# Altium PCB 30-172 - SM Clock Ethernet Module.PcbDoc
Units mm, origin at the board's own origin, x right, y up, seen from the top; angles counter-clockwise.
Board outline 48 x 33 mm, 2 copper layers (Top Layer, Bottom Layer), stack 1.571 mm thick; 44 components, 33 nets, 162 pads, 33 vias.
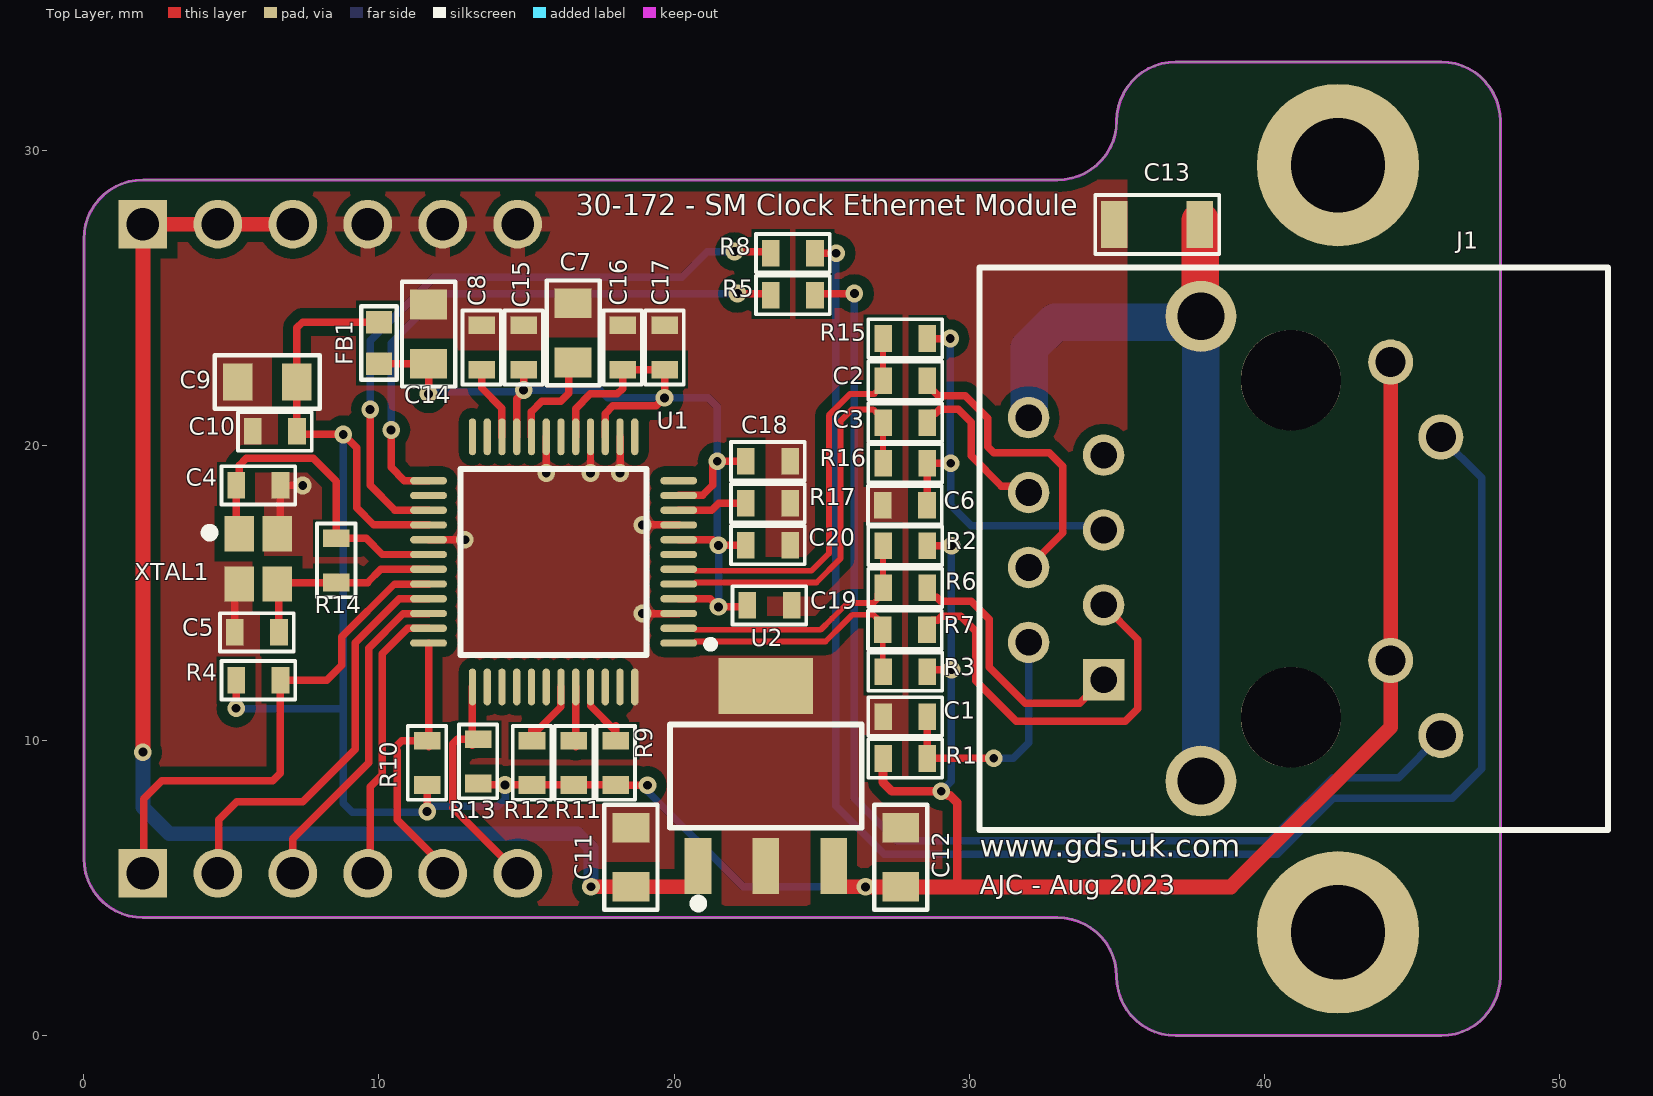
[diagram p0: Top Layer view]
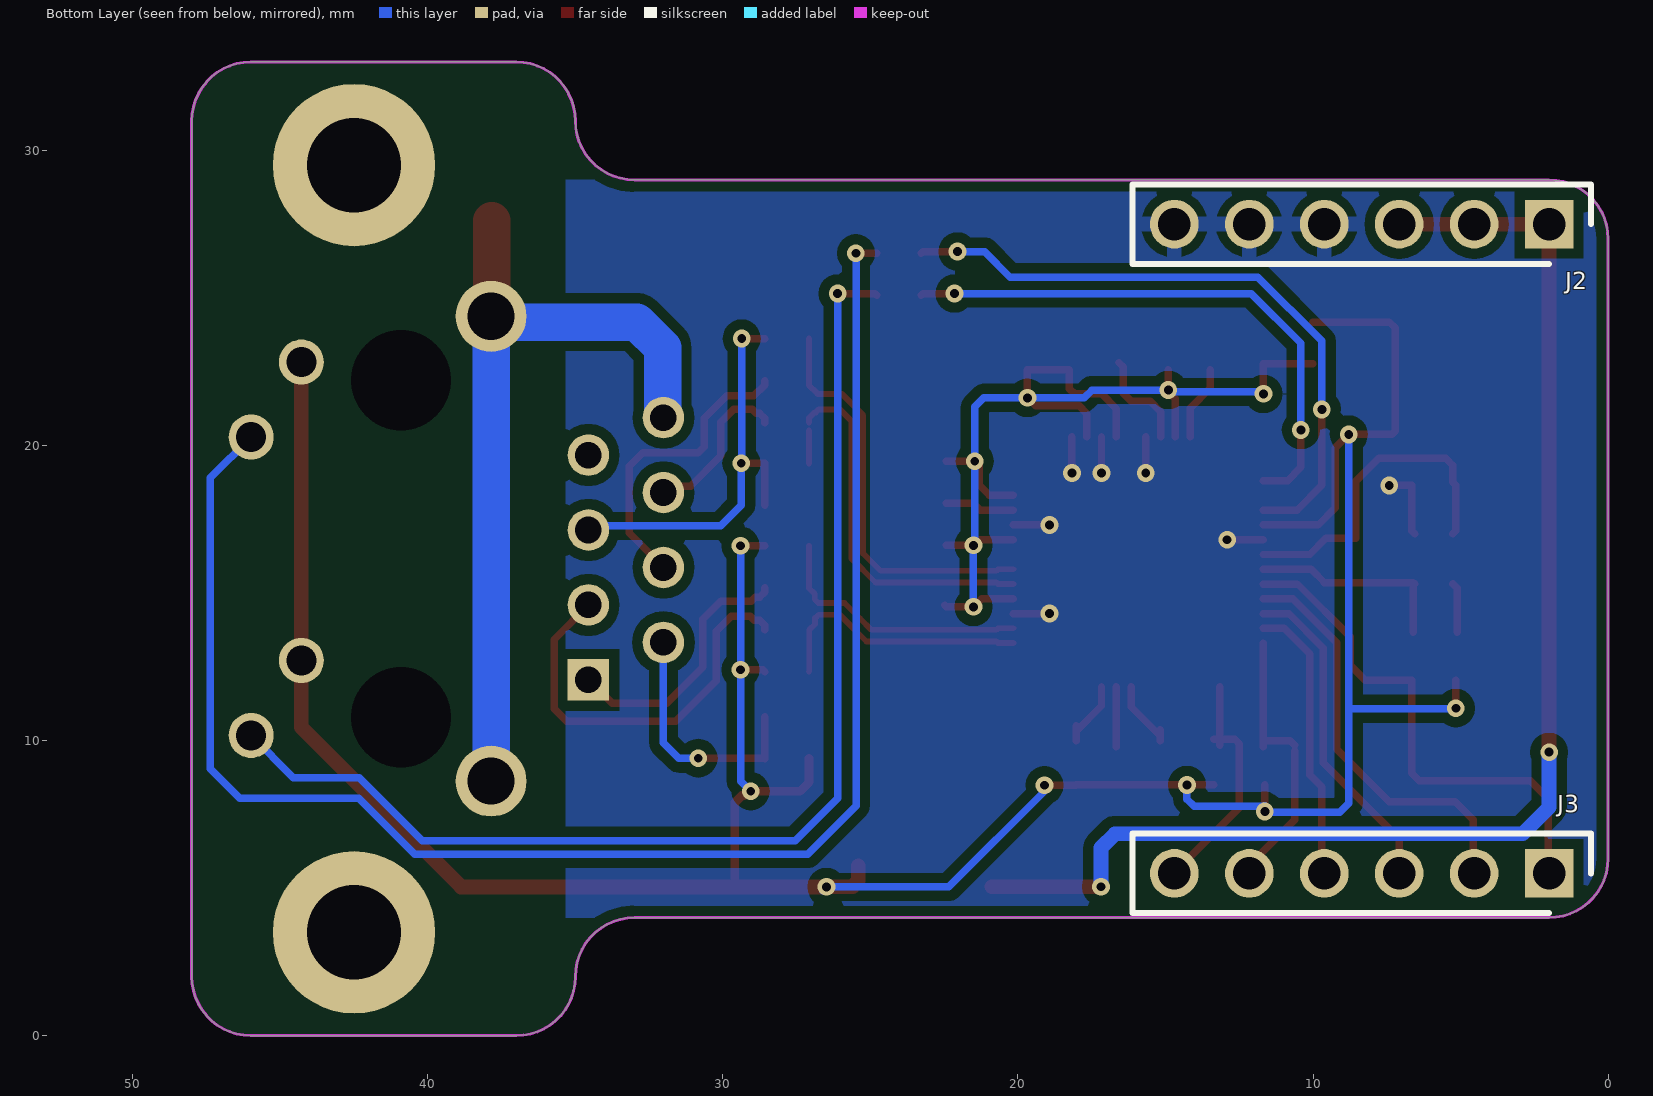
[diagram p1: Bottom Layer view, seen from below]
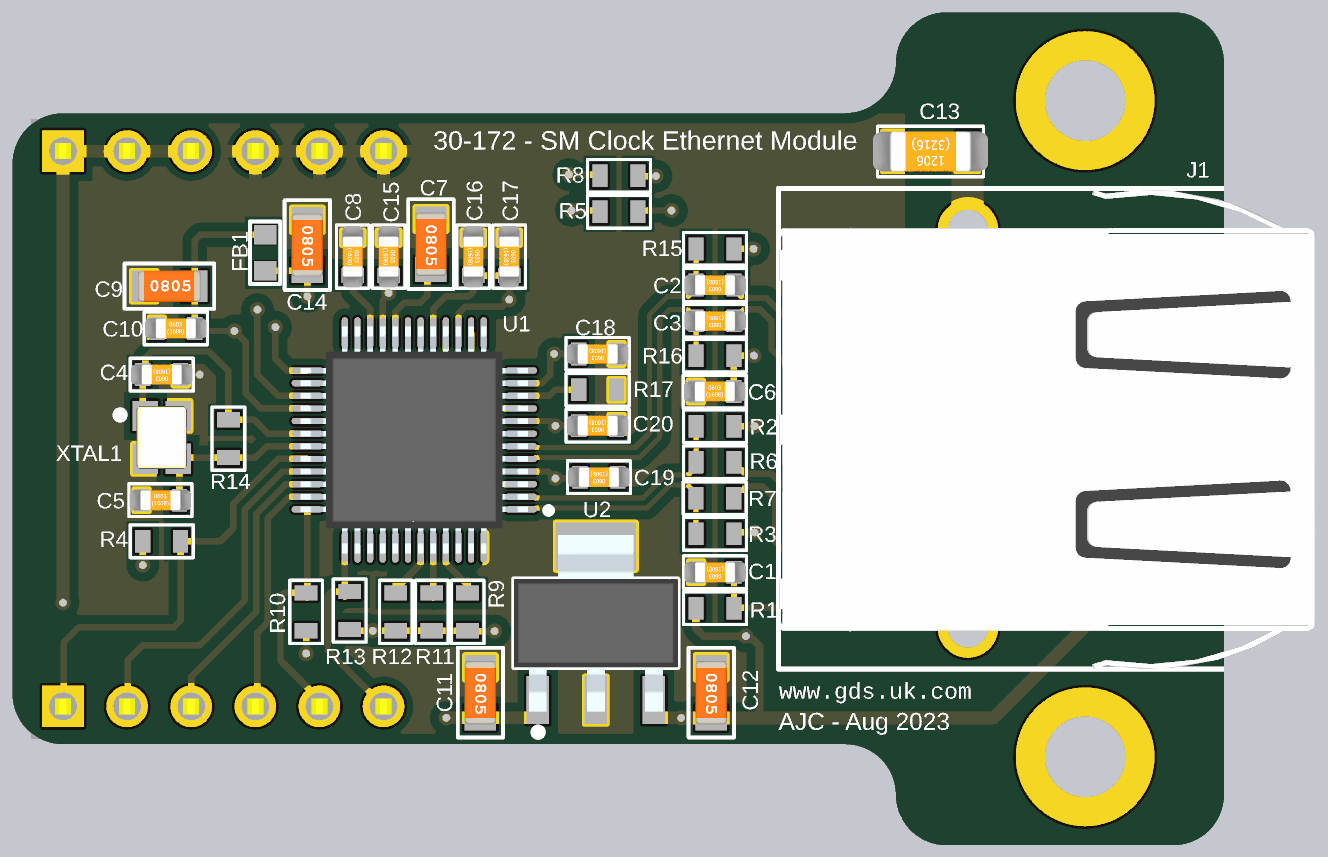
[diagram p2: 3D render of the assembled board from above, using the file's embedded part models]

## Layer stack, top to bottom
Top Solder: solder mask 0.0102, Solder Resist, Dk 3.5
Top Layer: signal copper 0.0356
Dielectric 1: dielectric 1.5, FR-4, Dk 4.8
Bottom Layer: signal copper 0.0356
Bottom Solder: solder mask 0.0102, Solder Resist, Dk 3.5

## Board outline
2,4 cw(c2,6) 0,6 0,27 cw(c2,27) 2,29 33,29 33,29.006 ccw(c33,31.006) 35,31.006 35,31 cw(c37,31) 37,33 46.003,33 46,33 cw(c46,31) 48,31 48,31.003 48,2 cw(c46,2) 46,0 37.001,0 cw(c37.001,2) 35.001,2 34.997,2 ccw(c32.997,2) 32.997,4

## Design rules (kind name [scope] priority, off if disabled: settings)
AssemblyTestPointUsage AssemblyTestPointUsage_1 [All] p1:
AssemblyTestpoint AssemblyTestpoint_1 [All] p1: testpointundercomponent=TRUE minsize=1.016 maxsize=2.54 preferedsize=1.524 minholesize=0 maxholesize=1.016 preferedholesize=0.813 testpointgrid=0.025 usegrid=TRUE gridtolerance=0 allowsidetop=TRUE allowsidebottom=TRUE
Clearance Clearance_1 [All] p1: gap=0.35 ignorepadtopadclearanceinfootprint=FALSE except(0: Arc-Hole Track-Hole SMDPad-Hole THPad-Hole Via-Hole Fill-Hole Poly-Hole Region-Hole Text-Hole; 0.2: Arc-Arc Arc-Track Arc-SMDPad Arc-THPad Arc-Via Track-Track Track-SMDPad Track-THPad Track-Via Track-Region SMDPad-SMDPad SMDPad-THPad SMDPad-Via SMDPad-Region THPad-THPad THPad-Via Via-Via)
ComponentClearance ComponentClearance_1 [All] p1: gap=0.254 collisioncheckmode=3 verticalgap=0.254 showdistances=FALSE
DiffPairsRouting DiffPairsRouting_1 [All] p1: maxlimit=0.254 minlimit=0.254 mostfreqgap=0.254 toplayer_minwidth=0.381 toplayer_maxwidth=0.381 toplayer_prefwidth=0.381 bottomlayer_minwidth=0.381 bottomlayer_maxwidth=0.381 bottomlayer_prefwidth=0.381 maxuncoupledlength=12.7
FabricationTestPointUsage FabricationTestPointUsage_1 [All] p1: valid=0 allowmultiple=FALSE
FabricationTestpoint FabricationTestpoint_1 [All] p1: side=3 testpointundercomponent=TRUE minsize=1.016 maxsize=2.54 preferedsize=1.524 minholesize=0 maxholesize=1.016 preferedholesize=0.813 testpointgrid=0.025 allowsidetop=TRUE allowsidebottom=TRUE usegrid=TRUE gridtolerance=0
FanoutControl Fanout_BGA_1 [IsBGA] p1: bgadir=Out bgaviamode=Centered fanoutstyle=Auto fanoutdirection=Alternating viagrid=0.025 // Fanout_BGA (Default Rule)
FanoutControl Fanout_LCC_1 [IsLCC] p2: bgadir=Out bgaviamode=Centered fanoutstyle=Auto fanoutdirection=Alternating viagrid=0.025 // Fanout_LCC (Default Rule)
FanoutControl Fanout_SOIC_1 [IsSOIC] p3: bgadir=Out bgaviamode=Centered fanoutstyle=Auto fanoutdirection=Alternating viagrid=0.025 // Fanout_SOIC (Default Rule)
FanoutControl Fanout_Small_1 [(CompPinCount < 5)] p4: bgadir=Out bgaviamode=Centered fanoutstyle=Auto fanoutdirection=OutThenIn viagrid=0.025 // Fanout_Small (Default Rule)
FanoutControl Fanout_Default_1 [All] p5: bgadir=Out bgaviamode=Centered fanoutstyle=Auto fanoutdirection=Alternating viagrid=0.025 // Fanout_Default (Default Rule)
Height Height_1 [All] p1: minheight=0 maxheight=25.4 prefheight=12.7
HoleSize HoleSize_1 [All] p1: absolutevalues=TRUE maxlimit=6 minlimit=0.025 maxpercent=80.000 minpercent=20.000
HoleToHoleClearance HoleToHoleClearance_1 [All] p1: gap=0.254 allowstackedmicrovias=TRUE
LayerPairs LayerPairs_1 [All] p1: enforce=TRUE
MinimumSolderMaskSliver MinimumSolderMaskSliver_1 [All] p1 off: minsoldermaskwidth=0
NetAntennae NetAntennae_1 [All] p1 off: netantennaetolerance=0
PasteMaskExpansion PasteMaskExpansion_1 [All] p1: expansion=0
PlaneClearance PlaneClearance_1 [All] p1: clearance=0.508
PlaneConnect PlaneConnect_1 [All] p1: planeconnectstyle=Relief reliefexpansion=0.508 reliefentries=4 reliefconductorwidth=0.254 reliefairgap=0.254
PolygonConnect PolygonConnect_1 [All] p1: thpad.connectstyle=Relief thpad.reliefconductorwidth=0.5 thpad.reliefentries=4 thpad.polygonreliefangle="90 Angle" thpad.airgapwidth=0.3 smdpad.connectstyle=Direct smdpad.reliefconductorwidth=0.254 smdpad.reliefentries=4 smdpad.polygonreliefangle="45 Angle" smdpad.airgapwidth=0.254 via.connectstyle=Direct via.reliefconductorwidth=0.254 via.reliefentries=4 via.polygonreliefangle="45 Angle" via.airgapwidth=0.254
RoutingCorners RoutingCorners_1 [All] p1: cornerstyle=45-Degree minsetback=2.54 maxsetback=2.54
RoutingLayers RoutingLayers_1 [All] p1: top layer_v5=TRUE bottom layer_v5=TRUE
RoutingPriority RoutingPriority_1 [All] p1: routingpriority=0
RoutingTopology RoutingTopology_1 [All] p1: topology=Shortest
RoutingVias RoutingVias_1 [All] p1: holewidth=0.4 width=0.8 viastyle="Through Hole" minholewidth=0.4 minwidth=0.8 maxholewidth=0.8 maxwidth=1.27
ShortCircuit ShortCircuit_1 [All] p1: allowed=FALSE
SilkToBoardRegionClearance SilkToBoardRegionClearance_1 [All] p2 off:
SilkToSilkClearance SilkToSilkClearance_1 [All] p1: silktosilkclearance=0
SilkToSolderMaskClearance SilkToSolderMaskClearance_1 [IsPad] p1 off: minsilkscreentomaskgap=0 clearancetoexposedcopper=TRUE
SolderMaskExpansion SolderMaskExpansion_1 [All] p1: expansion=0.102 istentingtop=FALSE
UnRoutedNet UnRoutedNet_1 [All] p1:
UnpouredPolygon UnpouredPolygon_1 [All] p1:
Width Width_1 [All] p1: maxlimit=2 minlimit=0.254 preferedwidth=0.5
1 further rules are at their usual default settings.

## Classes and differential pairs
differential pair W5500_TX: +W5500_TX_P -W5500_TX_N
differential pair W5500_RX: +W5500_RX_P -W5500_RX_N

## Components (designator, comment, footprint, x,y, rotation, side; value= is the part's Value field where it differs from the comment)
C1 "22nF" C0603 27.836,10.814 r180 top
C2 "6.8nF" C0603 27.836,22.196 r180 top
C3 "6.8nF" C0603 27.836,20.774 r180 top
C4 "18pF" C0603 5.912,18.646 r180 top
C5 "18pF" C0603 5.861,13.668 r0 top
C6 "10nF" C0603 27.824,17.973 r0 top
C7 "4.7uF" C0805 16.58,23.812 r270 top
C8 "10nF" C0603 13.481,23.32 r270 top
C9 "10uF" C0805 6.216,22.151 r0 top
C10 "100nF" C0603 6.47,20.475 r0 top
C11 "10uF" C0805 18.539,6.045 r270 top
C12 "10uF" C0805 27.683,6.045 r270 top
C13 "1nF/2kV" C1206 36.373,27.486 r180 top
C14 "10uF" C0805 11.681,23.777 r270 top
C15 "100nF" C0603 14.903,23.32 r270 top
C16 "100nF" C0603 18.256,23.32 r270 top
C17 "100nF" C0603 19.678,23.32 r270 top
C18 "100nF" C0603 23.184,19.465 r180 top
C19 "100nF" C0603 23.234,14.582 r180 top
C20 "100nF" C0603 23.184,16.621 r180 top
FB1 "MH1608-121Y" L0603 10.005,23.472 r270 top
J1 "J1B1211CCD" J1B1211CCD 39,16.5 r90 top
J2 "TSW-106-06-G-S" TSW-106-06-G-S 2,27.5 r0 bottom
J3 "TSW-106-06-G-S" TSW-106-06-G-S 2,5.5 r0 bottom
R1 "10" R0603 27.836,9.392 r180 top
R2 "49.9" R0603 27.836,16.602 r0 top
R3 "49.9" R0603 27.836,12.335 r0 top
R4 "10k" R0603 5.912,12.042 r180 top
R5 "330" R0603 24.028,25.098 r0 top
R6 "49.9" R0603 27.836,15.173 r180 top
R7 "49.9" R0603 27.824,13.751 r180 top
R8 "330" R0603 24.028,26.52 r0 top
R9 "10k" R0603 18.031,9.245 r270 top
R10 "10k" R0603 11.63,9.245 r270 top
R11 "10k" R0603 16.609,9.245 r270 top
R12 "10k" R0603 15.186,9.245 r270 top
R13 "10k" R0603 13.36,9.296 r270 top
R14 "1M" R0603 8.553,16.106 r90 top
R15 "49.9" R0603 27.836,23.625 r180 top
R16 "49.9" R0603 27.836,19.396 r180 top
R17 "12.4k" R0603 23.184,18.043 r180 top
U1 "W5500" LQFP-48 15.919,16.055 r90 top
U2 "AP2114HA-3.3TRG1" SOT223-3 23.111,8.795 r90 top
XTAL1 "25MHz" ECS2501836B2CTYTR 5.912,16.157 r270 top

## Footprints (in the part's own frame and the unit in brackets; to place one, negate y for a bottom-side part, rotate by r counter-clockwise, add the part's x,y. Pads: shape width x height; smd on the part's side, far side on the other; paste and mask are expansions set on the pad)
C0603 [mm] "0603 Capacitor Package"
  rect 0.6x0.9 smd: 1(-0.75,0) 2(0.75,0)
  silkscreen extent -1.25,-0.65 1.25,0.65, body extent -1.23,-0.4 1.23,0.4, height 0.8
C0805 [mm] "CAPACITOR SMD 0805"
  rect 1x1.25 smd: 1(-1,0) 2(1,0)
  silkscreen extent -1.78,-0.9 1.78,0.9, body extent -1.25,-0.62 1.25,0.62, height 0.79
C1206 [mm] "1206 Capacitor Package"
  rect 0.9x1.6 smd: 1(-1.45,0) 2(1.45,0)
  silkscreen extent -2.1,-1 2.1,1, body extent -2.27,-0.8 2.27,0.8, height 1.25
ECS2501836B2CTYTR [mm]
  rect 1.2x1 smd: 1(-0.85,-0.65) 2(0.85,-0.65) 3(0.85,0.65) 4(-0.85,0.65)
  silkscreen extent -1.04,-1.8 -0.74,-1.5, body extent -1.25,-1 1.25,1, height 0.6
J1B1211CCD [mm] "J1B1211CCD"
  round 3.4 / inner round 0 / far side round 2.4 hole 3.4: 0(-5.715,-1.905) 0(5.715,-1.905)
  rect 1.408x1.408 / inner round 0 / far side rect 1.408x1.408 hole 0.9: 1(-4.445,4.445)
  round 1.408 / inner round 0 / far side round 1.408 hole 0.9: 2(-3.175,6.985) 3(-1.905,4.445) 4(-0.635,6.985) 5(0.635,4.445) 6(1.905,6.985) 7(3.175,4.445) 8(4.445,6.985)
  round 1.53 / inner round 0 / far side round 1.53 hole 1.02: 9(-6.325,-6.985) 10(-3.785,-5.285) 11(3.785,-6.985) 12(6.325,-5.285)
  round 2.4 / inner round 0 / far side round 2.4 hole 1.6: S1(-7.875,1.145) S2(7.875,1.145)
  silkscreen extent -9.53,-12.66 9.53,8.64, body extent -9.53,-12.64 9.46,8.63, height 15.14
L0603 [mil]
  rect 30x35 smd mask+2: 1(-28,0) 2(28,0)
  silkscreen extent -49,-24 49,24, body extent -35,-14 35,13, height 24
LQFP-48 [mm] "WIZNET_W5500_0"
  rrect100% 0.25x1.25 smd: 1(-2.75,-4.238) 2(-2.25,-4.238) 3(-1.75,-4.238) 4(-1.25,-4.238) 5(-0.75,-4.238) 6(-0.25,-4.238) 7(0.25,-4.238) 8(0.75,-4.238) 9(1.25,-4.238) 10(1.75,-4.238) 11(2.25,-4.238) 12(2.75,-4.238) 25(2.75,4.238) 26(2.25,4.238) 27(1.75,4.238) 28(1.25,4.238) 29(0.75,4.238) 30(0.25,4.238) 31(-0.25,4.238) 32(-0.75,4.238) 33(-1.25,4.238) 34(-1.75,4.238) 35(-2.25,4.238) 36(-2.75,4.238)
  rrect100% 1.25x0.25 smd: 13(4.238,-2.75) 14(4.238,-2.25) 15(4.238,-1.75) 16(4.238,-1.25) 17(4.238,-0.75) 18(4.238,-0.25) 19(4.238,0.25) 20(4.238,0.75) 21(4.238,1.25) 22(4.238,1.75) 23(4.238,2.25) 24(4.238,2.75) 37(-4.238,2.75) 38(-4.238,2.25) 39(-4.238,1.75) 40(-4.238,1.25) 41(-4.238,0.75) 42(-4.238,0.25) 43(-4.238,-0.25) 44(-4.238,-0.75) 45(-4.238,-1.25) 46(-4.238,-1.75) 47(-4.238,-2.25) 48(-4.238,-2.75)
  silkscreen extent -3.15,-5.44 3.15,3.15, body extent -4.5,-4.5 4.5,4.5, height 1.6
R0603 [mm] "0603 Resistor Package"
  rect 0.6x0.9 smd: 1(-0.75,0) 2(0.75,0)
  silkscreen extent -1.25,-0.65 1.25,0.65, body extent -1.23,-0.4 1.23,0.4, height 0.8
SOT223-3 [mm]
  rect 1.9x0.9 smd: 1(-3.05,2.3) 2(-3.05,0) 3(-3.05,-2.3)
  rect 1.9x3.2 smd: 4(3.05,0)
  silkscreen extent -4.47,-3.25 1.75,3.25, body extent -3.5,-3.25 3.5,3.25, height 1.8
TSW-106-06-G-S [mm]
  rect 1.65x1.65 / inner round 1.65 / far side rect 1.65x1.65 hole 1.1: 1(0,0)
  round 1.65 hole 1.1: 2(2.54,0) 3(5.08,0) 4(7.62,0) 5(10.16,0) 6(12.7,0)
  silkscreen extent -1.42,-1.35 14.12,1.35, body extent -1.4,-1.27 13.97,1.27, height 5.31

## Part data
C1: library part "22nF ± 10% 50V", "22nF ± 10% 50V", Manufacturer=Yageo, Manufacturer Part Number=CC0603KRX7R9BB223, Supplier Part Number=603-CC603KRX7R9BB223, Price=0.1, Supplier=Mouser
C2 C3: library part "6.8nF ± 10% 50V", "6.8nF ± 10% 50V", Manufacturer=Yageo, Manufacturer Part Number=CC0603KPX7R9BB682, Supplier Part Number=603-CC0603KPX7R9BB682, Price=0.1, Supplier=Mouser
C4 C5: library part "18pF 50V 0603 X7R", "18pF 50V 0603 X7R", Manufacturer=Yageo, Manufacturer Part Number=CC0603FRNPO9BN180, Supplier Part Number=603-CC603FRNPO9BN180, Supplier=Mouser
C6 C8: library part "10nF ± 10% 50V", "10nF ± 10% 50V", Manufacturer=Yageo, Manufacturer Part Number=CC0603KRX7R9BB103, Supplier Part Number=603-CC603KRX7R9BB103, Price=0.1, Supplier=Mouser
C7: library part "4.7uF ± 10% 25V", "4.7uF ± 10% 25V", Manufacturer=Yageo, Manufacturer Part Number=CC0805KKX7R8BB475, Supplier Part Number=603-CC0805KKX7R8BB475, Price=0.31, Supplier=Mouser
C9 C11 C12 C14: library part "10uF ± 10% 16V", "10uF ± 10% 16V", Manufacturer=Yageo, Manufacturer Part Number=CC0805KKX5R7BB106, Supplier Part Number=603-CC0805KKX5R7BB106, Price=0.3, Supplier=Mouser
C10 C15 C16 C17 C18 C19 C20: library part "100nF ± 10% 50V", "100nF ± 10% 50V", Manufacturer=Yageo, Manufacturer Part Number=CC0603KRX7R9BB104, Supplier Part Number=603-CC603KRX7R9BB104, Price=0.1, Supplier=Mouser
C13: library part "1nF ± 10% 2kV", "1nF ± 10% 2kV", Manufacturer=Yageo, Manufacturer Part Number=CC1206KKX7RDBB102, Supplier Part Number=603-CC206KKX7RDBB102, Price=0.3, Supplier=Mouser
FB1: "Ferrite Beads 120 ohms 25% HIGH CURRENT", Manufacturer=Bourns, Supplier Part Number=652-MH1608-121Y, Manufacturer Part Number=MH1608-121Y, Price=0.1, Supplier=Mouser
J1: "Modular Connectors / Ethernet Connectors RJ-45 w/ Transformer Connector /CETUS", Manufacturer=WIZnet, Supplier Part Number=950-J1B1211CCD, Manufacturer Part Number=J1B1211CCD, Price=4.8, Supplier=Mouser
J2 J3: "Headers & Wire Housings Classic PCB Header Strips, 0.100\" pitch", Manufacturer=Samtec, Manufacturer Part Number=TSW-106-06-G-S, Price=1.03, Supplier=Mouser, Supplier Part Number=TSW-106-06-G-S
R1: library part "10 Ohms ±1% 0.1W", "10 Ohms ±1% 0.1W", Manufacturer=Yageo, Manufacturer Part Number=RC0603FR-0710RL, Supplier Part Number=603-RC0603FR-0710RL, Price=0.1, Supplier=Mouser
R2 R3 R6 R7 R15 R16: library part "49.9 Ohms ±1% 0.1W", "49.9 Ohms ±1% 0.1W", Manufacturer=Yageo, Manufacturer Part Number=RC0603FR-0749R9L, Supplier Part Number=603-RC0603FR-0749R9L, Price=0.1, Supplier=Mouser
R4 R9 R10 R11 R12 R13: library part "10 kOhms ±1% 0.1W", "10 kOhms ±1% 0.1W", Manufacturer=Yageo, Manufacturer Part Number=RC0603FR-0710KL, Supplier Part Number=603-RC0603FR-0710KL, Price=0.1, Supplier=Mouser
R5 R8: library part "330 Ohms ±1% 0.1W", "330 Ohms ±1% 0.1W", Manufacturer=Yageo, Manufacturer Part Number=RC0603FR-07330RL, Supplier Part Number=603-RC0603FR-07330RL, Price=0.1, Supplier=Mouser
R14: library part "1 MOhms ±1% 0.1W", "1 MOhms ±1% 0.1W", Manufacturer=Yageo, Manufacturer Part Number=RC0603FR-071ML, Supplier Part Number=603-RC0603FR-071ML, Price=0.1, Supplier=Mouser
R17: library part "12.4 kOhms ±1% 0.1W", "12.4 kOhms ±1% 0.1W", Manufacturer=Yageo, Manufacturer Part Number=RC0603FR-0712K4L, Supplier Part Number=603-RC0603FR-0712K4L, Supplier=Mouser
U1: "Ethernet ICs 3in1 Enet Controller TCP/IP +MAC+PHY", Manufacturer=WIZnet, Supplier Part Number=950-W5500, Manufacturer Part Number=W5500, Price=3.5, Supplier=Mouser
U2: "LDO Voltage Regulators 1A LN CMOS LDO 0.45V 60uA 50mA", Manufacturer="Diodes Inc.", Supplier Part Number=621-AP2114HA-3.3TRG1, Manufacturer Part Number=AP2114HA-3.3TRG1, Price=0.37, Supplier=Mouser
XTAL1: library part ECS-250-18-36B2-CTY-TR, "Crystals ESR 50,FREQ 25,STABILITY +/-30ppm,TOLERANCE +/-10ppm,CL 18pF,AGING +/-2 ppm ,-30 C 85 C,100uW in typical (Max 200uW), 2.50mm x 2.00mm", Manufacturer=ECS, Supplier Part Number=520-250-18-36B2CTYTR, Manufacturer Part Number=ECS-250-18-36B2-CTY-TR, Price=0.4, Supplier=Mouser

## Free pads (board coordinates)
  round 5.5 hole 3.2 unplated: 0(42.5,3.5) 0(42.5,29.5)

## Via types
v1: diameter 0.6, hole 0.3, Top Layer to Bottom Layer, tented both sides, 33 vias

## Nets (pads, with @x,y where several pads share a name; then routed paths per layer and width w, separated by ;. In a path a pad name is that pad's centre, name@x,y a point inside that pad or via, vN(x,y) a via of type N, cw(c..) or ccw(c..) an arc to the next point about the centre after c; other vN are vias at no path point)
3V3: C9.2 C10.2 C12.2 FB1.1 J1.10 J1.12 R1.2 R2.2 R3.2 R4.2 R9.2 R10.2 R11.2 R12.2 R13.2 U1.28 U2.3 | length 102.6
  Top Layer w0.254: v1(5.162,11.097) R4.2 ; FB1.1 7.417,24.184 7.22,23.987 C10.2 7.322,20.374 v1(8.788,20.374) 9.246,19.916 9.246,17.884 9.825,17.305 U1.28 ; R10.2 11.633,8.492 v1@11.633,7.795 ; R13.2@13.36,8.495 v1(14.273,8.495) R12.2 R11.2 R9.2 18.043,8.483 v1(19.101,8.483) ; R3.2 28.649,12.398 v1(29.401,12.398) ; R2.2 v1(29.401,16.602)
  Top Layer w0.3: R1.2 27.076,9.383 27.076,8.588 27.381,8.283 v1(29.058,8.283) 29.139,8.283 29.289,8.133 29.36,8.133 29.597,7.896 29.597,5.042
  Top Layer w0.5: U2.3 25.411,5.245 25.611,5.045 26.488,5.045 v1(26.492,5.042) C12.2@27.683,5.042 ; C12.2 27.686,5.042 29.597,5.042 38.872,5.042 44.285,10.455 J1.10 J1.12
  Bottom Layer w0.254: v1(5.162,11.097) 5.182,11.077 8.788,11.077 ; v1(8.788,20.374) 8.788,11.077 ; v1@11.61,7.572 9.093,7.572 8.788,7.877 8.788,11.077 ; v1@11.61,7.772 v1@11.633,7.795 ; v1@11.633,7.772 14.027,7.772 14.273,8.019 v1(14.273,8.495) ; v1@19.101,8.283 22.342,5.042 v1(26.492,5.042) v1@26.622,4.911 ; v1(29.058,8.283) 29.401,8.626 v1(29.401,12.398) v1(29.401,16.602)
  other v1: 11.633,7.595
+5V: C11.2 J2.1 J2.2 J2.3 U2.1 | length 45.6
  Top Layer w0.5: v1(2,9.607) J2.1 J2.2 J2.3 ; v1(17.186,5.045) U2.1@20.884,5.045
  Bottom Layer w0.5: v1(2,9.607) 2,7.737 2.892,6.845 16.709,6.845 17.186,6.368 v1(17.186,5.045)
ACTLED: J1.11 R8.2 | length 55
  Top Layer w0.254: R8.2 24.787,26.512 v1(25.493,26.512)
  Bottom Layer w0.254: v1(25.493,26.512) 25.484,26.503 25.484,7.793 27.124,6.153 40.44,6.153 42.336,8.049 46.37,8.049 47.371,9.049 47.371,18.9 J1.11
AVDD: C14.2 C15.2 C16.2 C17.2 C18.2 C19.2 C20.2 FB1.2 U1.4 U1.8 U1.11 U1.15 U1.17 U1.21 | length 38.8
  Top Layer w0.254: FB1.2 11.665,22.761 C14.2 v1(11.681,21.748) v1@11.684,21.745 ; U1.21 14.669,21.581 14.903,21.815 v1(14.903,21.879) C15.2 ; U1.17 16.669,21.247 17.168,21.745 18.082,21.745 18.256,21.919 C16.2 C17.2 v1(19.678,21.614) 19.403,21.339 17.93,21.339 17.671,21.08 17.671,20.295 U1.15 ; U1.4 21.233,14.805 v1(21.507,14.532) 22.434,14.532 C19.2 ; U1.8 21.316,16.805 v1(21.507,16.614) 22.427,16.614 C20.2 ; U1.11 20.159,18.307 20.965,18.307 21.304,18.646 21.304,19.307 v1(21.463,19.465) C18.2
  Bottom Layer w0.254: v1(11.681,21.748) 11.746,21.813 14.838,21.813 v1(14.903,21.879) 17.491,21.879 17.756,21.614 v1(19.678,21.614) 21.162,21.614 21.463,21.314 21.463,16.659 v1(21.507,16.614) v1(21.507,14.532)
CGND: C13.1 J1.8 J1.S1 J1.S2 | length 27.6
  Top Layer w1.27: C13.1@37.839,27.622 37.839,24.392 J1.S2
  Bottom Layer w1.27: J1.8 32.041,20.972 32.041,23.307 32.918,24.184 37.663,24.184 J1.S2 J1.S1
GND: C1.2 C4.1 C5.1 C6.1 C7.1 C8.1 C9.1 C10.1 C11.1 C12.1 C13.2 C14.1 C15.1 C16.1 C17.1 C18.1 C19.1 C20.1 J2.4 J2.5 J2.6 R17.1 U1.3 U1.9 U1.14 U1.16 U1.19 U1.29 U1.48 U2.2 U2.4 XTAL1.2 XTAL1.4 | length 11.5
  Top Layer w0.254: C5.1 5.111,15.156 XTAL1.2 ; XTAL1.4 6.662,17.107 C4.1 v1(7.417,18.646) ; U1.29 v1(12.91,16.805) ; v1(15.669,19.064) U1.19 ; v1(17.169,19.064) U1.16 ; v1(18.169,19.064) U1.14 ; v1(18.928,14.305) U1.3 ; v1(18.928,17.305) U1.9
LINKLED: J1.9 R5.2 | length 40.4
  Top Layer w0.254: R5.2 24.829,25.149 v1(26.111,25.149)
  Bottom Layer w0.254: v1(26.111,25.149) 26.111,8.049 27.553,6.607 40.183,6.607 42.318,8.742 44.552,8.742 J1.9
NetC1_1: C1.1 J1.2 R1.1 | length 8.5
  Top Layer w0.254: C1.1 R1.1 28.594,9.401 v1(30.836,9.401)
  Bottom Layer w0.254: v1(30.836,9.401) 31.496,9.401 32.015,9.92 J1.2
NetC2_1: C2.1 J1.4 | length 10.4
  Top Layer w0.254: C2.1 28.586,22.046 28.95,21.682 29.868,21.682 30.63,20.92 30.63,19.955 30.833,19.751 32.712,19.751 33.17,19.294 33.17,17.034 J1.4@32.001,15.865
NetC3_1: C3.1 J1.6 | length 5.5
  Top Layer w0.254: C3.1 28.586,20.924 28.759,21.097 28.874,21.097 29.005,21.228 29.632,21.228 30.071,20.789 30.071,19.65 31.094,18.626 31.78,18.626 J1.6@32.001,18.405
NetC4_2: C4.2 R14.2 U1.30 XTAL1.1 | length 11.4
  Top Layer w0.254: XTAL1.1 5.162,17.107 C4.2 5.267,18.751 5.267,19.322 5.505,19.561 7.773,19.561 8.553,18.78 R14.2 9.563,16.856 10.114,16.305 U1.30
NetC5_2: C5.2 R14.1 U1.31 XTAL1.3 | length 7
  Top Layer w0.254: C5.2 6.611,15.258 XTAL1.3 6.611,15.356 R14.1 9.613,15.356 10.062,15.805 U1.31
NetC6_2: C6.2 J1.5 R15.1 R16.1 | length 14.2
  Top Layer w0.254: C6.2 28.58,17.979 28.58,19.39 R16.1 v1(29.375,19.396) ; R15.1 v1(29.362,23.625)
  Bottom Layer w0.254: v1(29.362,23.625) 29.362,19.408 v1(29.375,19.396) 29.375,17.973 30.074,17.275 34.416,17.275 J1.5
NetC7_2: C7.2 U1.20 | length 3.5
  Top Layer w0.254: U1.20 15.169,21.15 15.511,21.491 16.154,21.491 16.435,21.772 16.435,22.667 C7.2
NetC8_2: C8.2 U1.22 | length 2.6
  Top Layer w0.254: C8.2 13.481,21.948 14.169,21.26 U1.22
NetJ1_1: J1.1 R6.1 | length 8.9
  Top Layer w0.254: R6.1 28.586,15.023 28.759,14.85 28.909,14.85 29.037,14.722 30.071,14.722 30.677,14.116 30.677,12.49 31.9,11.268 33.754,11.268 J1.1@34.541,12.055
NetJ1_3: J1.3 R7.1 | length 14.1
  Top Layer w0.254: R7.1 28.574,13.901 28.747,14.074 28.933,14.074 29.074,14.214 29.715,14.214 30.223,13.706 30.223,12.03 31.595,10.658 35.293,10.658 35.712,11.077 35.712,13.424 J1.3@34.541,14.595
NetR5_1: R5.1 U1.25 | length 19.3
  Top Layer w0.254: v1(10.414,20.526) 10.414,19.256 10.865,18.805 U1.25 ; v1(22.149,25.149) 23.228,25.149 R5.1
  Bottom Layer w0.254: v1(10.414,20.526) 10.414,23.472 12.09,25.149 v1(22.149,25.149)
NetR8_1: R8.1 U1.27 | length 22.1
  Top Layer w0.254: v1(9.703,21.22) 9.703,18.646 10.544,17.805 U1.27 ; v1(22.047,26.571) 23.228,26.571 R8.1
  Bottom Layer w0.254: v1(9.703,21.22) 9.703,23.542 11.869,25.708 20.269,25.708 21.133,26.571 v1(22.047,26.571)
NetR9_1: R9.1 U1.45 | length 2.4
  Top Layer w0.254: U1.45 17.169,11.177 18.031,10.315 ; R9.1 18.031,10.495
NetR11_1: R11.1 U1.44 | length 2
  Top Layer w0.254: R11.1@16.669,9.795 U1.44
NetR12_1: R12.1 U1.43 | length 2.4
  Top Layer w0.254: R12.1 15.186,10.363 ; R12.1@15.186,10.163 16.169,11.146 U1.43
NetR17_2: R17.2 U1.10 | length 2.4
  Top Layer w0.254: U1.10 21.276,17.805 21.513,18.043 R17.2
W5500_CS: J3.1 R4.1 U1.32 | length 17.6
  Top Layer w0.254: J3.1 2.032,5.532 2.032,8.029 2.642,8.639 6.401,8.639 6.662,8.9 R4.1 8.229,12.042 8.741,12.554 8.741,13.519 10.527,15.305 U1.32
W5500_INT: J3.5 R10.1 U1.36 | length 9.4
  Top Layer w0.254: 10.617,9.646 10.617,7.318 12.16,5.775 J3.5 ; 10.617,9.846 10.766,9.995 R10.1 ; R10.1@11.681,9.795 U1.36
W5500_MISO: J3.3 U1.34 | length 11.2
  Top Layer w0.254: J3.3 7.08,6.676 9.652,9.248 9.652,13.128 10.83,14.305 U1.34
W5500_MOSI: J3.4 U1.35 | length 9.6
  Top Layer w0.254: J3.4 9.703,5.583 9.703,8.436 10.109,8.842 10.109,12.943 10.972,13.805 U1.35
W5500_RST: J3.6 R13.1 U1.37 | length 8
  Top Layer w0.254: 12.497,7.724 14.7,5.521 J3.6 ; 12.497,7.924 12.497,9.897 12.646,10.046 13.169,10.046 R13.1 ; R13.1@13.169,9.846 U1.37
W5500_RX_N: C3.2 R16.2 U1.5 | length 13.5
  Top Layer w0.2: U1.5 20.671,15.305 20.721,15.355 24.827,15.355 25.645,16.173 25.645,20.834 26.035,21.225 26.747,21.225 26.848,21.124 26.886,21.124 27.086,20.924 C3.2 ; R16.2 C3.2@27.086,20.508
W5500_RX_P: C2.2 R15.2 U1.6 | length 13.9
  Top Layer w0.2: U1.6 20.671,15.805 20.721,15.755 24.661,15.755 25.245,16.339 25.245,21.021 25.972,21.749 26.788,21.749 27.086,22.046 C2.2 R15.2
W5500_SCK: J3.2 U1.33 | length 14.2
  Top Layer w0.254: J3.2 4.572,5.532 4.572,7.318 5.182,7.928 7.417,7.928 9.195,9.706 9.195,13.312 10.688,14.805 U1.33
W5500_TX_N: R3.1 R7.2 U1.1 | length 9.1
  Top Layer w0.2: U1.1 20.671,13.305 20.721,13.355 25.135,13.355 25.753,13.973 26.044,14.264 26.757,14.264 26.874,14.147 26.874,13.951 R7.2 27.074,12.347 R3.1
W5500_TX_P: R2.1 R6.2 U1.2 | length 9.1
  Top Layer w0.2: U1.2 20.671,13.805 20.721,13.755 24.97,13.755 25.353,14.138 25.879,14.664 26.769,14.664 26.886,14.782 26.886,14.973 R6.2 R2.1
pads on no net: J1.0 J1.7 U1.7 U1.12 U1.13 U1.18 U1.23 U1.24 U1.26 U1.38 U1.39 U1.40 U1.41 U1.42 U1.46 U1.47

## Polygon pours and split planes (outlines as drawn)
GND on Top Layer "GND_L01_P000" (solid, remove dead copper, pour order 0): 0,4 0,29 35.357,29 35.357,4
GND on Bottom Layer "GND_L02_P001" (solid, remove dead copper, pour order 1): 0,4 0,29 35.325,29 35.325,4

## Keep-outs
Keep-Out Layer:
  lines w0.1: 0,6.003 0,27.003 ; 0,27 cw(c2,27) 2,29 ; 0.003,6 ccw(c2.003,6) 2.003,4 32.997,4 cw(c32.997,2) 34.997,2 ccw(c36.997,2) 36.997,0 45.997,0 ; 1.997,29 33,29 ccw(c33,31) 35,31 ; 35,30.997 cw(c37,30.997) 37,32.997 46.003,32.997 ; 46,0.003 ccw(c46,2.003) 48,2.003 48,31.003 ; 46,32.997 cw(c46,30.997) 48,30.997

## Silkscreen, mask and mechanical layers (free items; w line width, h text height)
Top Overlay:
  text "30-172 - SM Clock Ethernet Module" at 16.669,27.559 h1.2
  text "www.gds.uk.com" at 30.367,5.809 h1.3
  text "AJC - Aug 2023" at 30.353,4.572 h1.1
Outline:
  lines w0.2: 33,29 2,29 ccw(c2,27) 0,27 0,6 ccw(c2,6) 2,4 32.997,4 cw(c32.997,2) 34.997,2 ; 33,29.006 ccw(c33,31.006) 35,31.006 ; 35,31 cw(c37,31) 37,33 46.003,33 ; 35.001,2 ccw(c37.001,2) 37.001,0 ; 36.999,0 46,0 ccw(c46,2) 48,2 48,31.003 ; 46,33 cw(c46,31) 48,31